# KiCad board Kimiro.kicad_pcb
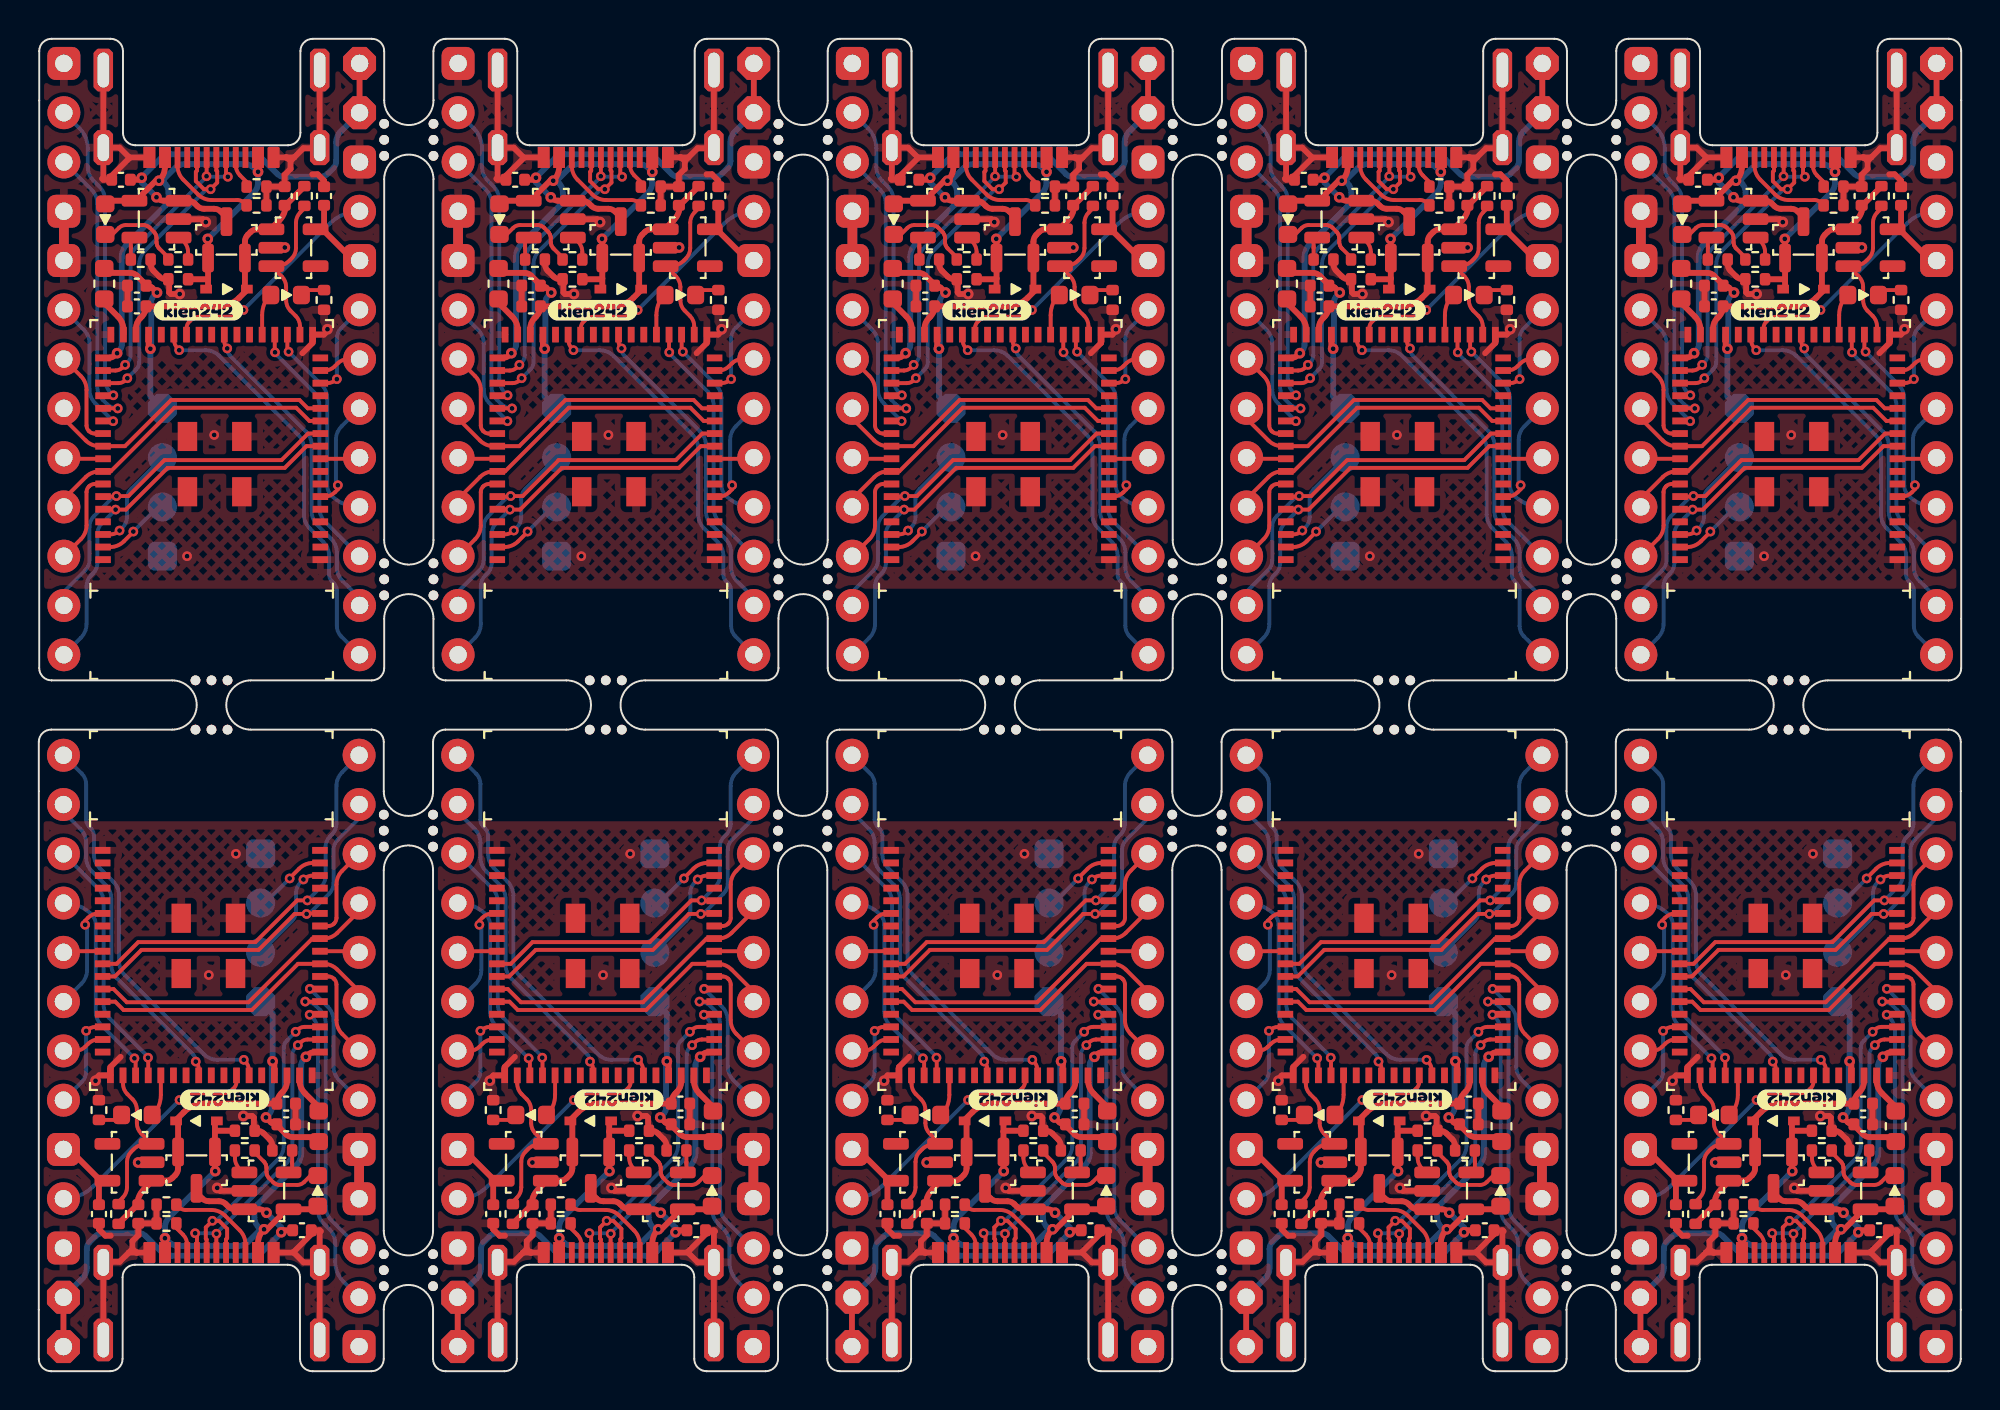
[diagram p0: board, top side]
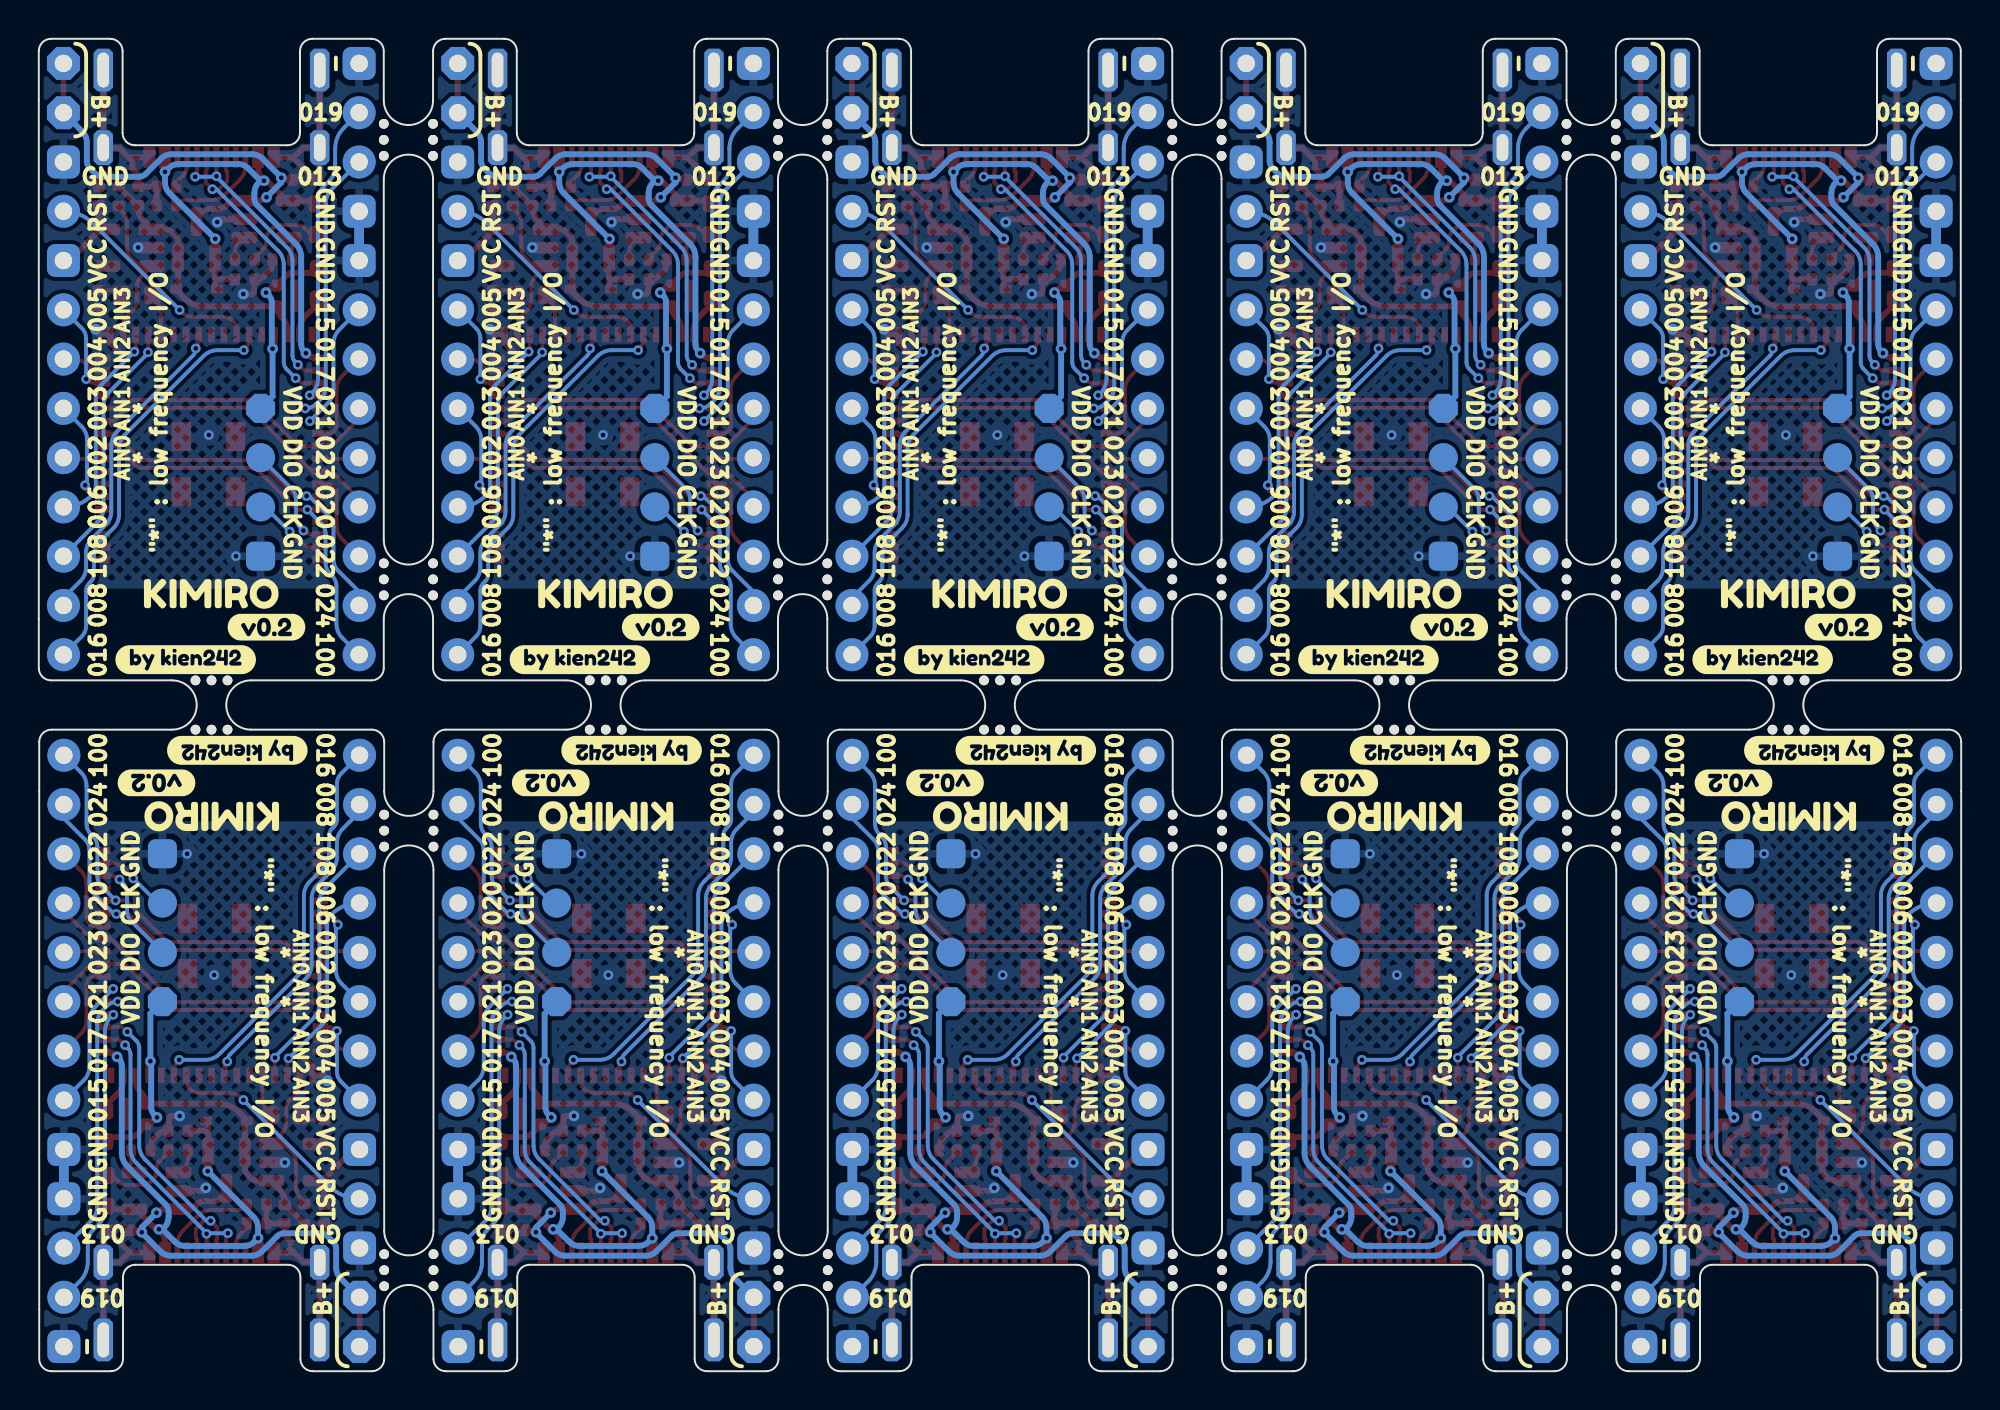
[diagram p1: board, bottom side, seen from below]

Outline 99.08 x 68.68 mm; copper layers: Top, Bottom. Coordinates in mm from the lower left corner of the outline.
Outline path: 6.87,33.07 0.64,33.07 arc(0.19,32.88) 0,32.44 0,0.64 arc(0.19,0.19) 0.64,0 3.68,0 arc(4.13,0.19) 4.32,0.64 4.32,4.85 arc(4.5,5.3) 4.95,5.49 12.83,5.49 arc(13.28,5.3) 13.46,4.85 13.46,0.64 arc(13.65,0.19) 14.1,0 17.15,0 arc(17.59,0.19) 17.78,0.64 17.78,3.18 ; 6.87,35.61 0.66,35.61 arc(0.21,35.8) 0.02,36.25 0.02,68.05 arc(0.21,68.5) 0.66,68.68 3.7,68.68 arc(4.15,68.5) 4.34,68.05 4.34,63.83 arc(4.53,63.38) 4.97,63.2 12.85,63.2 arc(13.3,63.38) 13.48,63.83 13.48,68.05 arc(13.67,68.5) 14.12,68.68 17.17,68.68 arc(17.62,68.5) 17.8,68.05 17.8,65.51 ; 10.93,33.07 17.15,33.07 arc(17.59,32.88) 17.78,32.44 17.78,29.9 ; 10.93,35.61 17.17,35.61 arc(17.62,35.8) 17.8,36.25 17.8,38.79 ; 17.78,7.24 17.78,25.83 ; 17.8,42.85 17.8,61.44 ; 20.32,29.9 20.32,32.44 arc(20.51,32.88) 20.96,33.07 27.19,33.07 ; 20.32,25.83 20.32,7.24 ; 20.32,3.18 20.32,0.64 arc(20.51,0.19) 20.96,0 24,0 arc(24.45,0.19) 24.64,0.64 24.64,4.85 arc(24.82,5.3) 25.27,5.49 33.15,5.49 arc(33.6,5.3) 33.78,4.85 33.78,0.64 arc(33.97,0.19) 34.42,0 37.47,0 arc(37.91,0.19) 38.1,0.64 38.1,3.18 ; 20.34,65.51 20.34,68.05 arc(20.53,68.5) 20.98,68.68 24.02,68.68 arc(24.47,68.5) 24.66,68.05 24.66,63.83 arc(24.85,63.38) 25.29,63.2 33.17,63.2 arc(33.62,63.38) 33.8,63.83 33.8,68.05 arc(33.99,68.5) 34.44,68.68 37.49,68.68 arc(37.94,68.5) 38.12,68.05 38.12,65.51 ; 20.34,42.85 20.34,61.44 ; 20.34,38.79 20.34,36.25 arc(20.53,35.8) 20.98,35.61 27.19,35.61 ; 31.25,33.07 37.47,33.07 arc(37.91,32.88) 38.1,32.44 38.1,29.9 ; 31.25,35.61 37.49,35.61 arc(37.94,35.8) 38.12,36.25 38.12,38.79 ; 38.1,7.24 38.1,25.83 ; 38.12,42.85 38.12,61.44 ; 40.64,29.9 40.64,32.44 arc(40.83,32.88) 41.28,33.07 47.51,33.07 ; 40.64,25.83 40.64,7.24 ; 40.64,3.18 40.64,0.64 arc(40.83,0.19) 41.28,0 44.32,0 arc(44.77,0.19) 44.96,0.64 44.96,4.85 arc(45.14,5.3) 45.59,5.49 53.47,5.49 arc(53.92,5.3) 54.1,4.85 54.1,0.64 arc(54.29,0.19) 54.74,0 57.79,0 arc(58.23,0.19) 58.42,0.64 58.42,3.18 ; 40.66,65.51 40.66,68.05 arc(40.85,68.5) 41.3,68.68 44.34,68.68 arc(44.79,68.5) 44.98,68.05 44.98,63.83 arc(45.17,63.38) 45.61,63.2 53.49,63.2 arc(53.94,63.38) 54.12,63.83 54.12,68.05 arc(54.31,68.5) 54.76,68.68 57.81,68.68 arc(58.26,68.5) 58.44,68.05 58.44,65.51 ; 40.66,42.85 40.66,61.44 ; 40.66,38.79 40.66,36.25 arc(40.85,35.8) 41.3,35.61 47.51,35.61 ; 51.57,33.07 57.79,33.07 arc(58.23,32.88) 58.42,32.44 58.42,29.9 ; 51.57,35.61 57.81,35.61 arc(58.26,35.8) 58.44,36.25 58.44,38.79 ; 58.42,7.24 58.42,25.83 ; 58.44,42.85 58.44,61.44 ; 60.96,29.9 60.96,32.44 arc(61.15,32.88) 61.6,33.07 67.83,33.07 ; 60.96,25.83 60.96,7.24 ; 60.96,3.18 60.96,0.64 arc(61.15,0.19) 61.6,0 64.64,0 arc(65.09,0.19) 65.28,0.64 65.28,4.85 arc(65.46,5.3) 65.91,5.49 73.79,5.49 arc(74.24,5.3) 74.42,4.85 74.42,0.64 arc(74.61,0.19) 75.06,0 78.11,0 arc(78.55,0.19) 78.74,0.64 78.74,3.18 ; 60.98,65.51 60.98,68.05 arc(61.17,68.5) 61.62,68.68 64.66,68.68 arc(65.11,68.5) 65.3,68.05 65.3,63.83 arc(65.49,63.38) 65.93,63.2 73.81,63.2 arc(74.26,63.38) 74.44,63.83 74.44,68.05 arc(74.63,68.5) 75.08,68.68 78.13,68.68 arc(78.58,68.5) 78.76,68.05 78.76,65.51 ; 60.98,42.85 60.98,61.44 ; 60.98,38.79 60.98,36.25 arc(61.17,35.8) 61.62,35.61 67.83,35.61 ; 71.89,33.07 78.11,33.07 arc(78.55,32.88) 78.74,32.44 78.74,29.9 ; 71.89,35.61 78.13,35.61 arc(78.58,35.8) 78.76,36.25 78.76,38.79 ; 78.74,7.24 78.74,25.83 ; 78.76,42.85 78.76,61.44 ; 81.28,29.9 81.28,32.44 arc(81.47,32.88) 81.92,33.07 88.15,33.07 ; 81.28,25.83 81.28,7.24 ; 81.28,3.18 81.28,0.64 arc(81.47,0.19) 81.92,0 84.96,0 arc(85.41,0.19) 85.6,0.64 85.6,4.85 arc(85.78,5.3) 86.23,5.49 94.11,5.49 arc(94.56,5.3) 94.74,4.85 94.74,0.64 arc(94.93,0.19) 95.38,0 98.43,0 arc(98.87,0.19) 99.06,0.64 99.06,32.44 arc(98.87,32.88) 98.43,33.07 92.21,33.07 ; 81.3,65.51 81.3,68.05 arc(81.49,68.5) 81.94,68.68 84.98,68.68 arc(85.43,68.5) 85.62,68.05 85.62,63.83 arc(85.81,63.38) 86.25,63.2 94.13,63.2 arc(94.58,63.38) 94.76,63.83 94.76,68.05 arc(94.95,68.5) 95.4,68.68 98.45,68.68 arc(98.9,68.5) 99.08,68.05 99.08,36.25 arc(98.9,35.8) 98.45,35.61 92.21,35.61 ; 81.3,42.85 81.3,61.44 ; 81.3,38.79 81.3,36.25 arc(81.49,35.8) 81.94,35.61 88.15,35.61
Stack: Top 0.035mm / dielectric 1.51mm FR4 er 4.5 / Bottom 0.035mm

## Placement (name value [footprint] x y rotation side)
C1  10nF  [C_0402_1005Metric]  13.56 7.26 0 top
C1#2  10nF  [C_0402_1005Metric]  4.24 61.42 180 top
C2  10nF  [C_0402_1005Metric]  33.88 7.26 0 top
C3  10nF  [C_0402_1005Metric]  24.56 61.42 180 top
C4  10nF  [C_0402_1005Metric]  54.2 7.26 0 top
C5  10uF  [C_0402_1005Metric]  5.13 8.1 90 top
C5#2  10uF  [C_0402_1005Metric]  12.67 60.58 270 top
C6  4.7uF  [C_0402_1005Metric]  3.1 8.1 90 top
C6#2  4.7uF  [C_0402_1005Metric]  14.7 60.58 270 top
C7  10uF  [C_0402_1005Metric]  5.05 55.96 180 top
C7#2  10uF  [C_0402_1005Metric]  12.75 12.73 0 top
C8  0.1uF  [C_0402_1005Metric]  12.75 13.79 0 top
C8#2  0.1uF  [C_0402_1005Metric]  5.05 54.89 180 top
C9  10uF  [C_0402_1005Metric]  25.45 8.1 90 top
C10  10uF  [C_0402_1005Metric]  32.99 60.58 270 top
C11  4.7uF  [C_0402_1005Metric]  23.42 8.1 90 top
C12  4.7uF  [C_0402_1005Metric]  35.02 60.58 270 top
C13  10uF  [C_0402_1005Metric]  33.07 12.73 0 top
C14  10uF  [C_0402_1005Metric]  25.37 55.96 180 top
C15  0.1uF  [C_0402_1005Metric]  33.07 13.79 0 top
C16  0.1uF  [C_0402_1005Metric]  25.37 54.89 180 top
C17  10nF  [C_0402_1005Metric]  44.88 61.42 180 top
C18  10uF  [C_0402_1005Metric]  45.77 8.1 90 top
C19  10uF  [C_0402_1005Metric]  53.31 60.58 270 top
C20  4.7uF  [C_0402_1005Metric]  43.74 8.1 90 top
C21  4.7uF  [C_0402_1005Metric]  55.34 60.58 270 top
C22  10uF  [C_0402_1005Metric]  53.39 12.73 0 top
C23  10uF  [C_0402_1005Metric]  45.69 55.96 180 top
C24  0.1uF  [C_0402_1005Metric]  53.39 13.79 0 top
C25  0.1uF  [C_0402_1005Metric]  45.69 54.89 180 top
C26  10nF  [C_0402_1005Metric]  74.52 7.26 0 top
C27  10nF  [C_0402_1005Metric]  65.2 61.42 180 top
C28  10uF  [C_0402_1005Metric]  66.09 8.1 90 top
C29  10uF  [C_0402_1005Metric]  73.63 60.58 270 top
C30  4.7uF  [C_0402_1005Metric]  64.06 8.1 90 top
C31  4.7uF  [C_0402_1005Metric]  75.66 60.58 270 top
C32  10uF  [C_0402_1005Metric]  73.71 12.73 0 top
C33  10uF  [C_0402_1005Metric]  66.01 55.96 180 top
C34  0.1uF  [C_0402_1005Metric]  73.71 13.79 0 top
C35  0.1uF  [C_0402_1005Metric]  66.01 54.89 180 top
C36  10nF  [C_0402_1005Metric]  94.84 7.26 0 top
C37  10nF  [C_0402_1005Metric]  85.52 61.42 180 top
C38  10uF  [C_0402_1005Metric]  86.41 8.1 90 top
C39  10uF  [C_0402_1005Metric]  93.95 60.58 270 top
C40  4.7uF  [C_0402_1005Metric]  84.38 8.1 90 top
C41  4.7uF  [C_0402_1005Metric]  95.98 60.58 270 top
C42  10uF  [C_0402_1005Metric]  94.03 12.73 0 top
C43  10uF  [C_0402_1005Metric]  86.33 55.96 180 top
C44  0.1uF  [C_0402_1005Metric]  94.03 13.79 0 top
C45  0.1uF  [C_0402_1005Metric]  86.33 54.89 180 top
D1  1N5819  [D_SOD-323]  9.67 55.78 180 top
D1#2  1N5819  [D_SOD-323]  8.13 12.9 0 top
D2  BLUE  [LED_0603_1608Metric]  12.75 55.47 180 top
D2#2  BLUE  [LED_0603_1608Metric]  5.05 13.21 0 top
D3  BLUE  [LED_0603_1608Metric]  3.42 59.39 90 top
D3#2  BLUE  [LED_0603_1608Metric]  14.38 9.3 270 top
D4  1N5819  [D_SOD-323]  28.45 12.9 0 top
D5  1N5819  [D_SOD-323]  29.99 55.78 180 top
D6  BLUE  [LED_0603_1608Metric]  25.37 13.21 0 top
D7  BLUE  [LED_0603_1608Metric]  33.07 55.47 180 top
D8  BLUE  [LED_0603_1608Metric]  34.7 9.3 270 top
D9  BLUE  [LED_0603_1608Metric]  23.74 59.39 90 top
D10  1N5819  [D_SOD-323]  48.77 12.9 0 top
D11  1N5819  [D_SOD-323]  50.31 55.78 180 top
D12  BLUE  [LED_0603_1608Metric]  45.69 13.21 0 top
D13  BLUE  [LED_0603_1608Metric]  53.39 55.47 180 top
D14  BLUE  [LED_0603_1608Metric]  55.02 9.3 270 top
D15  BLUE  [LED_0603_1608Metric]  44.06 59.39 90 top
D16  1N5819  [D_SOD-323]  69.09 12.9 0 top
D17  1N5819  [D_SOD-323]  70.63 55.78 180 top
D18  BLUE  [LED_0603_1608Metric]  66.01 13.21 0 top
D19  BLUE  [LED_0603_1608Metric]  73.71 55.47 180 top
D20  BLUE  [LED_0603_1608Metric]  75.34 9.3 270 top
D21  BLUE  [LED_0603_1608Metric]  64.38 59.39 90 top
D22  1N5819  [D_SOD-323]  89.41 12.9 0 top
D23  1N5819  [D_SOD-323]  90.95 55.78 180 top
D24  BLUE  [LED_0603_1608Metric]  86.33 13.21 0 top
D25  BLUE  [LED_0603_1608Metric]  94.03 55.47 180 top
D26  BLUE  [LED_0603_1608Metric]  95.66 9.3 270 top
D27  BLUE  [LED_0603_1608Metric]  84.7 59.39 90 top
J1  Conn_01x04  [Conn_1x04_P2.54mm]  11.43 22.86 270 bottom
J1#2  Conn_01x04  [Conn_1x04_P2.54mm]  6.37 45.82 90 bottom
J2  USB_C_Left  [USB-C-Low]  8.9 5.61 180 top
J2#2  USB_C_Left  [USB-C-Low]  8.9 63.08 0 top
J3  Left  [Conn_1x13_P2.54mm]  16.51 1.27 180 top
J3#2  Left  [Conn_1x13_P2.54mm]  1.29 67.41 0 top
J4  Right  [Conn_1x13_P2.54mm#2]  1.27 1.27 180 top
J4#2  Right  [Conn_1x13_P2.54mm#2]  16.53 67.41 0 top
J5  Conn_01x04  [Conn_1x04_P2.54mm]  31.75 22.86 270 bottom
J6  Conn_01x04  [Conn_1x04_P2.54mm]  26.69 45.82 90 bottom
J7  USB_C_Left  [USB-C-Low]  29.22 5.61 180 top
J8  USB_C_Left  [USB-C-Low]  29.22 63.08 0 top
J9  Left  [Conn_1x13_P2.54mm]  36.83 1.27 180 top
J10  Left  [Conn_1x13_P2.54mm]  21.61 67.41 0 top
J11  Right  [Conn_1x13_P2.54mm#2]  21.59 1.27 180 top
J12  Right  [Conn_1x13_P2.54mm#2]  36.85 67.41 0 top
J13  Conn_01x04  [Conn_1x04_P2.54mm]  52.07 22.86 270 bottom
J14  Conn_01x04  [Conn_1x04_P2.54mm]  47.01 45.82 90 bottom
J15  USB_C_Left  [USB-C-Low]  49.54 5.61 180 top
J16  USB_C_Left  [USB-C-Low]  49.54 63.08 0 top
J17  Left  [Conn_1x13_P2.54mm]  57.15 1.27 180 top
J18  Left  [Conn_1x13_P2.54mm]  41.93 67.41 0 top
J19  Right  [Conn_1x13_P2.54mm#2]  41.91 1.27 180 top
J20  Right  [Conn_1x13_P2.54mm#2]  57.17 67.41 0 top
J21  Conn_01x04  [Conn_1x04_P2.54mm]  72.39 22.86 270 bottom
J22  Conn_01x04  [Conn_1x04_P2.54mm]  67.33 45.82 90 bottom
J23  USB_C_Left  [USB-C-Low]  69.86 5.61 180 top
J24  USB_C_Left  [USB-C-Low]  69.86 63.08 0 top
J25  Left  [Conn_1x13_P2.54mm]  77.47 1.27 180 top
J26  Left  [Conn_1x13_P2.54mm]  62.25 67.41 0 top
J27  Right  [Conn_1x13_P2.54mm#2]  62.23 1.27 180 top
J28  Right  [Conn_1x13_P2.54mm#2]  77.49 67.41 0 top
J29  Conn_01x04  [Conn_1x04_P2.54mm]  92.71 22.86 270 bottom
J30  Conn_01x04  [Conn_1x04_P2.54mm]  87.65 45.82 90 bottom
J31  USB_C_Left  [USB-C-Low]  90.18 5.61 180 top
J32  USB_C_Left  [USB-C-Low]  90.18 63.08 0 top
J33  Left  [Conn_1x13_P2.54mm]  97.79 1.27 180 top
J34  Left  [Conn_1x13_P2.54mm]  82.57 67.41 0 top
J35  Right  [Conn_1x13_P2.54mm#2]  82.55 1.27 180 top
J36  Right  [Conn_1x13_P2.54mm#2]  97.81 67.41 0 top
kibuzzard-62E2A6C1  G***  [kibuzzard-62E2A6C4]  29.21 28.6 0 bottom
kibuzzard-62E2A6C2  G***  [kibuzzard-62E2A6C4]  29.23 40.08 180 bottom
kibuzzard-62E2A6C3  G***  [kibuzzard-62E2A6C4]  49.53 28.6 0 bottom
kibuzzard-62E2A6C4  G***  [kibuzzard-62E2A6C4]  8.89 28.6 0 bottom
kibuzzard-62E2A6C4#2  G***  [kibuzzard-62E2A6C4]  8.91 40.08 180 bottom
kibuzzard-62E2A6C5  G***  [kibuzzard-62E2A6C4]  49.55 40.08 180 bottom
kibuzzard-62E2A6C6  G***  [kibuzzard-62E2A6C4]  69.85 28.6 0 bottom
kibuzzard-62E2A6C7  G***  [kibuzzard-62E2A6C4]  69.87 40.08 180 bottom
kibuzzard-62E2A6C8  G***  [kibuzzard-62E2A6C4]  90.17 28.6 0 bottom
kibuzzard-62E2A6C9  G***  [kibuzzard-62E2A6C4]  90.19 40.08 180 bottom
kibuzzard-62E24B1  G***  [kibuzzard-62E24B57]  29.9 14 180 top
kibuzzard-62E24B2  G***  [kibuzzard-62E24B57]  28.55 54.69 0 top
kibuzzard-62E24B3  G***  [kibuzzard-62E24B57]  50.22 14 180 top
kibuzzard-62E24B4  G***  [kibuzzard-62E24B57]  48.87 54.69 0 top
kibuzzard-62E24B5  G***  [kibuzzard-62E24B57]  70.54 14 180 top
kibuzzard-62E24B6  G***  [kibuzzard-62E24B57]  69.19 54.69 0 top
kibuzzard-62E24B7  G***  [kibuzzard-62E24B57]  90.86 14 180 top
kibuzzard-62E24B8  G***  [kibuzzard-62E24B57]  89.51 54.69 0 top
kibuzzard-62E24B57  G***  [kibuzzard-62E24B57]  8.23 54.69 0 top
kibuzzard-62E24B57#2  G***  [kibuzzard-62E24B57]  9.58 14 180 top
kibuzzard-62E126A1  G***  [kibuzzard-62E126A5]  32.05 30.33 0 bottom
kibuzzard-62E126A2  G***  [kibuzzard-62E126A5]  26.39 38.35 180 bottom
kibuzzard-62E126A3  G***  [kibuzzard-62E126A5]  52.37 30.33 0 bottom
kibuzzard-62E126A4  G***  [kibuzzard-62E126A5]  46.71 38.35 180 bottom
kibuzzard-62E126A5  G***  [kibuzzard-62E126A5]  6.07 38.35 180 bottom
kibuzzard-62E126A5#2  G***  [kibuzzard-62E126A5]  11.73 30.33 0 bottom
kibuzzard-62E126A6  G***  [kibuzzard-62E126A5]  72.69 30.33 0 bottom
kibuzzard-62E126A7  G***  [kibuzzard-62E126A5]  67.03 38.35 180 bottom
kibuzzard-62E126A8  G***  [kibuzzard-62E126A5]  93.01 30.33 0 bottom
kibuzzard-62E126A9  G***  [kibuzzard-62E126A5]  87.35 38.35 180 bottom
kibuzzard-62E129EE  G***  [kibuzzard-62E129EE]  10.23 36.68 180 bottom
kibuzzard-62E129EE1  G***  [kibuzzard-62E129EE]  27.89 32 0 bottom
kibuzzard-62E129EE2  G***  [kibuzzard-62E129EE]  30.55 36.68 180 bottom
kibuzzard-62E129EE3  G***  [kibuzzard-62E129EE]  48.21 32 0 bottom
kibuzzard-62E129EE4  G***  [kibuzzard-62E129EE]  50.87 36.68 180 bottom
kibuzzard-62E129EE5  G***  [kibuzzard-62E129EE]  68.53 32 0 bottom
kibuzzard-62E129EE6  G***  [kibuzzard-62E129EE]  71.19 36.68 180 bottom
kibuzzard-62E129EE7  G***  [kibuzzard-62E129EE]  88.85 32 0 bottom
kibuzzard-62E129EE8  G***  [kibuzzard-62E129EE]  91.51 36.68 180 bottom
kibuzzard-62E129EE#2  G***  [kibuzzard-62E129EE]  7.57 32 0 bottom
L1  10uH  [L_0603_1608Metric]  3.37 56.06 90 top
L1#2  10uH  [L_0603_1608Metric]  14.43 12.62 270 top
L2  10uH  [L_0603_1608Metric]  34.75 12.62 270 top
L3  10uH  [L_0603_1608Metric]  23.69 56.06 90 top
L4  10uH  [L_0603_1608Metric]  55.07 12.62 270 top
L5  10uH  [L_0603_1608Metric]  44.01 56.06 90 top
L6  10uH  [L_0603_1608Metric]  75.39 12.62 270 top
L7  10uH  [L_0603_1608Metric]  64.33 56.06 90 top
L8  10uH  [L_0603_1608Metric]  95.71 12.62 270 top
L9  10uH  [L_0603_1608Metric]  84.65 56.06 90 top
Q1  AO3407  [SOT-23]  9.67 58.32 90 top
Q1#2  AO3407  [SOT-23]  8.13 10.36 270 top
Q2  AO3407  [SOT-23]  28.45 10.36 270 top
Q3  AO3407  [SOT-23]  29.99 58.32 90 top
Q4  AO3407  [SOT-23]  48.77 10.36 270 top
Q5  AO3407  [SOT-23]  50.31 58.32 90 top
Q6  AO3407  [SOT-23]  69.09 10.36 270 top
Q7  AO3407  [SOT-23]  70.63 58.32 90 top
Q8  AO3407  [SOT-23]  89.41 10.36 270 top
Q9  AO3407  [SOT-23]  90.95 58.32 90 top
R1  5.1K  [R_0402_1005Metric]  11.22 61.06 0 top
R1#2  5.1K  [R_0402_1005Metric]  6.58 7.62 180 top
R2  5.1K  [R_0402_1005Metric]  11.22 60.1 180 top
R2#2  5.1K  [R_0402_1005Metric]  6.58 8.59 0 top
R3  R  [R_0402_1005Metric]  10.62 12.4 0 top
R3#2  R  [R_0402_1005Metric]  7.18 56.29 180 top
R4  1K  [R_0402_1005Metric]  10.62 11.38 180 top
R4#2  1K  [R_0402_1005Metric]  7.18 57.3 0 top
R5  RPROG  [R_0402_1005Metric]  5.25 57.3 0 top
R5#2  RPROG  [R_0402_1005Metric]  12.55 11.38 180 top
R6  5.1K  [R_0402_1005Metric]  26.9 7.62 180 top
R7  5.1K  [R_0402_1005Metric]  31.54 61.06 0 top
R8  5.1K  [R_0402_1005Metric]  26.9 8.59 0 top
R9  5.1K  [R_0402_1005Metric]  31.54 60.1 180 top
R10  10K  [R_0402_1005Metric]  13.69 60.58 270 top
R10#2  10K  [R_0402_1005Metric]  4.11 8.1 90 top
R11  1K  [R_0402_1005Metric]  14.7 55.22 90 top
R11#2  1K  [R_0402_1005Metric]  3.1 13.46 270 top
R12  R  [R_0402_1005Metric]  30.94 12.4 0 top
R13  R  [R_0402_1005Metric]  27.5 56.29 180 top
R14  1K  [R_0402_1005Metric]  30.94 11.38 180 top
R15  1K  [R_0402_1005Metric]  27.5 57.3 0 top
R16  RPROG  [R_0402_1005Metric]  32.87 11.38 180 top
R17  RPROG  [R_0402_1005Metric]  25.57 57.3 0 top
R18  10K  [R_0402_1005Metric]  24.43 8.1 90 top
R19  10K  [R_0402_1005Metric]  34.01 60.58 270 top
R20  1K  [R_0402_1005Metric]  23.42 13.46 270 top
R21  1K  [R_0402_1005Metric]  35.02 55.22 90 top
R22  5.1K  [R_0402_1005Metric]  47.22 7.62 180 top
R23  5.1K  [R_0402_1005Metric]  51.86 61.06 0 top
R24  5.1K  [R_0402_1005Metric]  47.22 8.59 0 top
R25  5.1K  [R_0402_1005Metric]  51.86 60.1 180 top
R26  R  [R_0402_1005Metric]  51.26 12.4 0 top
R27  R  [R_0402_1005Metric]  47.82 56.29 180 top
R28  1K  [R_0402_1005Metric]  51.26 11.38 180 top
R29  1K  [R_0402_1005Metric]  47.82 57.3 0 top
R30  RPROG  [R_0402_1005Metric]  53.19 11.38 180 top
R31  RPROG  [R_0402_1005Metric]  45.89 57.3 0 top
R32  10K  [R_0402_1005Metric]  44.75 8.1 90 top
R33  10K  [R_0402_1005Metric]  54.33 60.58 270 top
R34  1K  [R_0402_1005Metric]  43.74 13.46 270 top
R35  1K  [R_0402_1005Metric]  55.34 55.22 90 top
R36  5.1K  [R_0402_1005Metric]  67.54 7.62 180 top
R37  5.1K  [R_0402_1005Metric]  72.18 61.06 0 top
R38  5.1K  [R_0402_1005Metric]  67.54 8.59 0 top
R39  5.1K  [R_0402_1005Metric]  72.18 60.1 180 top
R40  R  [R_0402_1005Metric]  71.58 12.4 0 top
R41  R  [R_0402_1005Metric]  68.14 56.29 180 top
R42  1K  [R_0402_1005Metric]  71.58 11.38 180 top
R43  1K  [R_0402_1005Metric]  68.14 57.3 0 top
R44  RPROG  [R_0402_1005Metric]  73.51 11.38 180 top
R45  RPROG  [R_0402_1005Metric]  66.21 57.3 0 top
R46  10K  [R_0402_1005Metric]  65.07 8.1 90 top
R47  10K  [R_0402_1005Metric]  74.65 60.58 270 top
R48  1K  [R_0402_1005Metric]  64.06 13.46 270 top
R49  1K  [R_0402_1005Metric]  75.66 55.22 90 top
R50  5.1K  [R_0402_1005Metric]  87.86 7.62 180 top
R51  5.1K  [R_0402_1005Metric]  92.5 61.06 0 top
R52  5.1K  [R_0402_1005Metric]  87.86 8.59 0 top
R53  5.1K  [R_0402_1005Metric]  92.5 60.1 180 top
R54  R  [R_0402_1005Metric]  91.9 12.4 0 top
R55  R  [R_0402_1005Metric]  88.46 56.29 180 top
R56  1K  [R_0402_1005Metric]  91.9 11.38 180 top
R57  1K  [R_0402_1005Metric]  88.46 57.3 0 top
R58  RPROG  [R_0402_1005Metric]  93.83 11.38 180 top
R59  RPROG  [R_0402_1005Metric]  86.53 57.3 0 top
R60  10K  [R_0402_1005Metric]  85.39 8.1 90 top
R61  10K  [R_0402_1005Metric]  94.97 60.58 270 top
R62  1K  [R_0402_1005Metric]  84.38 13.46 270 top
R63  1K  [R_0402_1005Metric]  95.98 55.22 90 top
REF**7  -  [breakaway-mousebites]  19.07 40.82 90 top
REF**7#2  -  [breakaway-mousebites]  19.05 27.86 90 top
REF**7#3  -  [breakaway-mousebites]  8.9 34.34 180 top
REF**7#4  -  [breakaway-mousebites]  19.07 63.47 90 top
REF**7#5  -  [breakaway-mousebites]  19.05 5.21 90 top
REF**8  -  [breakaway-mousebites]  39.37 5.21 90 top
REF**9  -  [breakaway-mousebites]  39.37 27.86 90 top
REF**10  -  [breakaway-mousebites]  29.22 34.34 180 top
REF**11  -  [breakaway-mousebites]  39.39 40.82 90 top
REF**12  -  [breakaway-mousebites]  39.39 63.47 90 top
REF**13  -  [breakaway-mousebites]  59.69 5.21 90 top
REF**14  -  [breakaway-mousebites]  59.69 27.86 90 top
REF**15  -  [breakaway-mousebites]  49.54 34.34 180 top
REF**16  -  [breakaway-mousebites]  59.71 40.82 90 top
REF**17  -  [breakaway-mousebites]  59.71 63.47 90 top
REF**18  -  [breakaway-mousebites]  80.01 5.21 90 top
REF**19  -  [breakaway-mousebites]  80.01 27.86 90 top
REF**20  -  [breakaway-mousebites]  69.86 34.34 180 top
REF**21  -  [breakaway-mousebites]  80.03 40.82 90 top
REF**22  -  [breakaway-mousebites]  80.03 63.47 90 top
REF**25  -  [breakaway-mousebites]  90.18 34.34 180 top
U1  TP4054  [SOT-23-5]  6.07 59.39 180 top
U1#2  TP4054  [SOT-23-5]  11.73 9.3 0 top
U2  TP4054  [SOT-23-5]  32.05 9.3 0 top
U3  MS88FS3  [MS88SF3-nRF52840]  8.89 23.75 0 top
U3#2  MS88FS3  [MS88SF3-nRF52840]  8.91 44.93 180 top
U4  XC6220B331MR  [SOT-23-5]  4.67 10.77 180 top
U4#2  XC6220B331MR  [SOT-23-5]  13.13 57.91 0 top
U5  TP4054  [SOT-23-5]  26.39 59.39 180 top
U6  MS88FS3  [MS88SF3-nRF52840]  29.21 23.75 0 top
U7  MS88FS3  [MS88SF3-nRF52840]  29.23 44.93 180 top
U8  XC6220B331MR  [SOT-23-5]  24.99 10.77 180 top
U9  XC6220B331MR  [SOT-23-5]  33.45 57.91 0 top
U10  TP4054  [SOT-23-5]  52.37 9.3 0 top
U11  TP4054  [SOT-23-5]  46.71 59.39 180 top
U12  MS88FS3  [MS88SF3-nRF52840]  49.53 23.75 0 top
U13  MS88FS3  [MS88SF3-nRF52840]  49.55 44.93 180 top
U14  XC6220B331MR  [SOT-23-5]  45.31 10.77 180 top
U15  XC6220B331MR  [SOT-23-5]  53.77 57.91 0 top
U16  TP4054  [SOT-23-5]  72.69 9.3 0 top
U17  TP4054  [SOT-23-5]  67.03 59.39 180 top
U18  MS88FS3  [MS88SF3-nRF52840]  69.85 23.75 0 top
U19  MS88FS3  [MS88SF3-nRF52840]  69.87 44.93 180 top
U20  XC6220B331MR  [SOT-23-5]  65.63 10.77 180 top
U21  XC6220B331MR  [SOT-23-5]  74.09 57.91 0 top
U22  TP4054  [SOT-23-5]  93.01 9.3 0 top
U23  TP4054  [SOT-23-5]  87.35 59.39 180 top
U24  MS88FS3  [MS88SF3-nRF52840]  90.17 23.75 0 top
U25  MS88FS3  [MS88SF3-nRF52840]  90.19 44.93 180 top
U26  XC6220B331MR  [SOT-23-5]  85.95 10.77 180 top
U27  XC6220B331MR  [SOT-23-5]  94.41 57.91 0 top

## Library data of the parts
C5 C5#2 C9 C10 C18 C19 C28 C29 C38 C39 = -: JLC Part: C19702; LCSC Part: C19702; Manufacturer Part: CL10A106KP8NNNC
C6 C6#2 C11 C12 C20 C21 C30 C31 C40 C41 = -: Digikey: 1276-1784-1-ND; JLC Part: C23733; LCSC Part: C368809; Manufacturer Part: CL05A475KP5NRNC
D2 D2#2 D3 D3#2 D6-D9 D12-D15 D18-D21 D24-D27 = -: LCSC: C375446; LCSC Part Number: C375446
R10 R10#2 R18 R19 R32 R33 R46 R47 R60 R61 = -: JLC Part: C25744; LCSC Part: C60490; Manufacturer Part: RC0402FR-0710KL
R11 R11#2 R20 R21 R34 R35 R48 R49 R62 R63 = -: LCSC: C21190; LCSC Part Number: C21190
U4 U4#2 U8 U9 U14 U15 U20 U21 U26 U27 = -: Digikey: 893-1133-1-ND‎; JLC Part: C86534; LCSC Part: C86534; Manufacturer Part: XC6220B331MR-G‎

## Footprints (pads in the part's own frame, mm; a bottom-side part is the same pattern mirrored in y, then rotated)
breakaway-mousebites
  round 0.5 hole 0.5 unplated: (-0.826,1.27) (-0.826,-1.27) (0,1.27) (0,-1.27) (0.826,1.27) (0.826,-1.27)
C_0402_1005Metric
  rrect 0.56x0.62 smd: 1(-0.48,0) 2(0.48,0)
Conn_1x04_P2.54mm
  rrect 1.5x1.5 smd: 1(-3.81,0)
  round 1.5 smd: 2(-1.27,0) 3(1.27,0)
  custom 1.5x1.5 smd: 4(3.81,0)
Conn_1x13_P2.54mm
  rrect 1.7x1.7 hole 0.9: 1(0,0) 4(0,-7.62) 5(0,-10.16)
  oval 1.7x1.7 hole 0.9: 2(0,-2.54) 3(0,-5.08) 6(0,-12.7) 7(0,-15.24) 8(0,-17.78) 9(0,-20.32) 10(0,-22.86) 11(0,-25.4) 12(0,-27.94) 13(0,-30.48)
Conn_1x13_P2.54mm#2
  custom 1.7x1.7 hole 0.9: 1(0,0) 2(0,-2.54)
  rrect 1.7x1.7 hole 0.9: 3(0,-5.08) 5(0,-10.16)
  oval 1.7x1.7 hole 0.9: 4(0,-7.62) 6(0,-12.7) 7(0,-15.24) 8(0,-17.78) 9(0,-20.32) 10(0,-22.86) 11(0,-25.4) 12(0,-27.94) 13(0,-30.48)
D_SOD-323
  rect 0.6x0.45 smd: 1(-1.05,0) 2(1.05,0)
L_0603_1608Metric
  rrect 0.875x0.95 smd: 1(-0.787,0) 2(0.787,0)
LED_0603_1608Metric
  rrect 0.875x0.95 smd: 1(-0.787,0) 2(0.787,0)
MS88SF3-nRF52840
  rect 0.8x0.35 smd: 1(-5.6,3.1) 2(-5.6,2.45) 3(-5.6,1.8) 4(-5.6,1.15) 5(-5.6,0.5) 6(-5.6,-0.15) 7(-5.6,-0.8) 8(-5.6,-1.45) 9(-5.6,-2.1) 10(-5.6,-2.75) 11(-5.6,-3.4) 12(-5.6,-4.05) 13(-5.6,-4.7) 14(-5.6,-5.35) 15(-5.6,-6) 16(-5.6,-6.65) 17(-5.6,-7.3) 35(5.6,-7.3) 36(5.6,-6.65) 37(5.6,-6) 38(5.6,-5.35) 39(5.6,-4.7) 40(5.6,-4.05) 41(5.6,-3.4) 42(5.6,-2.75) 43(5.6,-2.1) 44(5.6,-1.45) 45(5.6,-0.8) 46(5.6,-0.15) 47(5.6,0.5) 48(5.6,1.15) 49(5.6,1.8) 50(5.6,2.45) 51(5.6,3.1)
  rect 0.35x0.8 smd: 18(-5.2,-8.5) 19(-4.55,-8.5) 20(-3.9,-8.5) 21(-3.25,-8.5) 22(-2.6,-8.5) 23(-1.95,-8.5) 24(-1.3,-8.5) 25(-0.65,-8.5) 26(0,-8.5) 27(0.65,-8.5) 28(1.3,-8.5) 29(1.95,-8.5) 30(2.6,-8.5) 31(3.25,-8.5) 32(3.9,-8.5) 33(4.55,-8.5) 34(5.2,-8.5)
  rect 1x1.5 smd: 61(-1.55,-0.4) 61(-1.55,-3.25) 61(1.25,-0.4) 61(1.25,-3.25)
R_0402_1005Metric
  rrect 0.54x0.64 smd: 1(-0.51,0) 2(0.51,0)
SOT-23
  rrect 1.475x0.6 smd: 1(-0.938,0.95) 2(-0.938,-0.95) 3(0.938,0)
SOT-23-5
  rrect 1.325x0.6 smd: 1(-1.137,0.95) 2(-1.137,0) 3(-1.137,-0.95) 4(1.137,-0.95) 5(1.137,0.95)
USB-C-Low
  custom 0.6x1.079 smd: A1(3.2,-0.508) B12(3.2,-0.508)
  rect 0.6x1.079 smd: A4(2.4,-0.508) A9(-2.4,-0.508) A12(-3.2,-0.508) B1(-3.2,-0.508) B4(-2.4,-0.508) B9(2.4,-0.508)
  rect 0.3x1.079 smd: A5(1.25,-0.508) A6(0.25,-0.508) A7(-0.25,-0.508) A8(-1.25,-0.508) B5(-1.75,-0.508) B6(-0.75,-0.508) B7(0.75,-0.508) B8(1.75,-0.508)
  custom 1x2.2 hole 0.6x1.8: S1(-5.575,3.996) S1(5.575,3.996)
  custom 1x1.8 hole 0.6x1.4: S1(-5.575,-0.004) S1(5.575,-0.004)
